# Altium PCB RADM-B00-V00.PcbDoc (part 2 of 2)
Units mil, origin at the board's own origin, x right, y up, seen from the top; angles counter-clockwise.
Board outline 2755.91 x 2952.76 mil, 4 copper layers (Top Layer, Mid-Layer 1, Mid-Layer 2, Bottom Layer); 88 components, 113 nets, 370 pads, 504 vias.
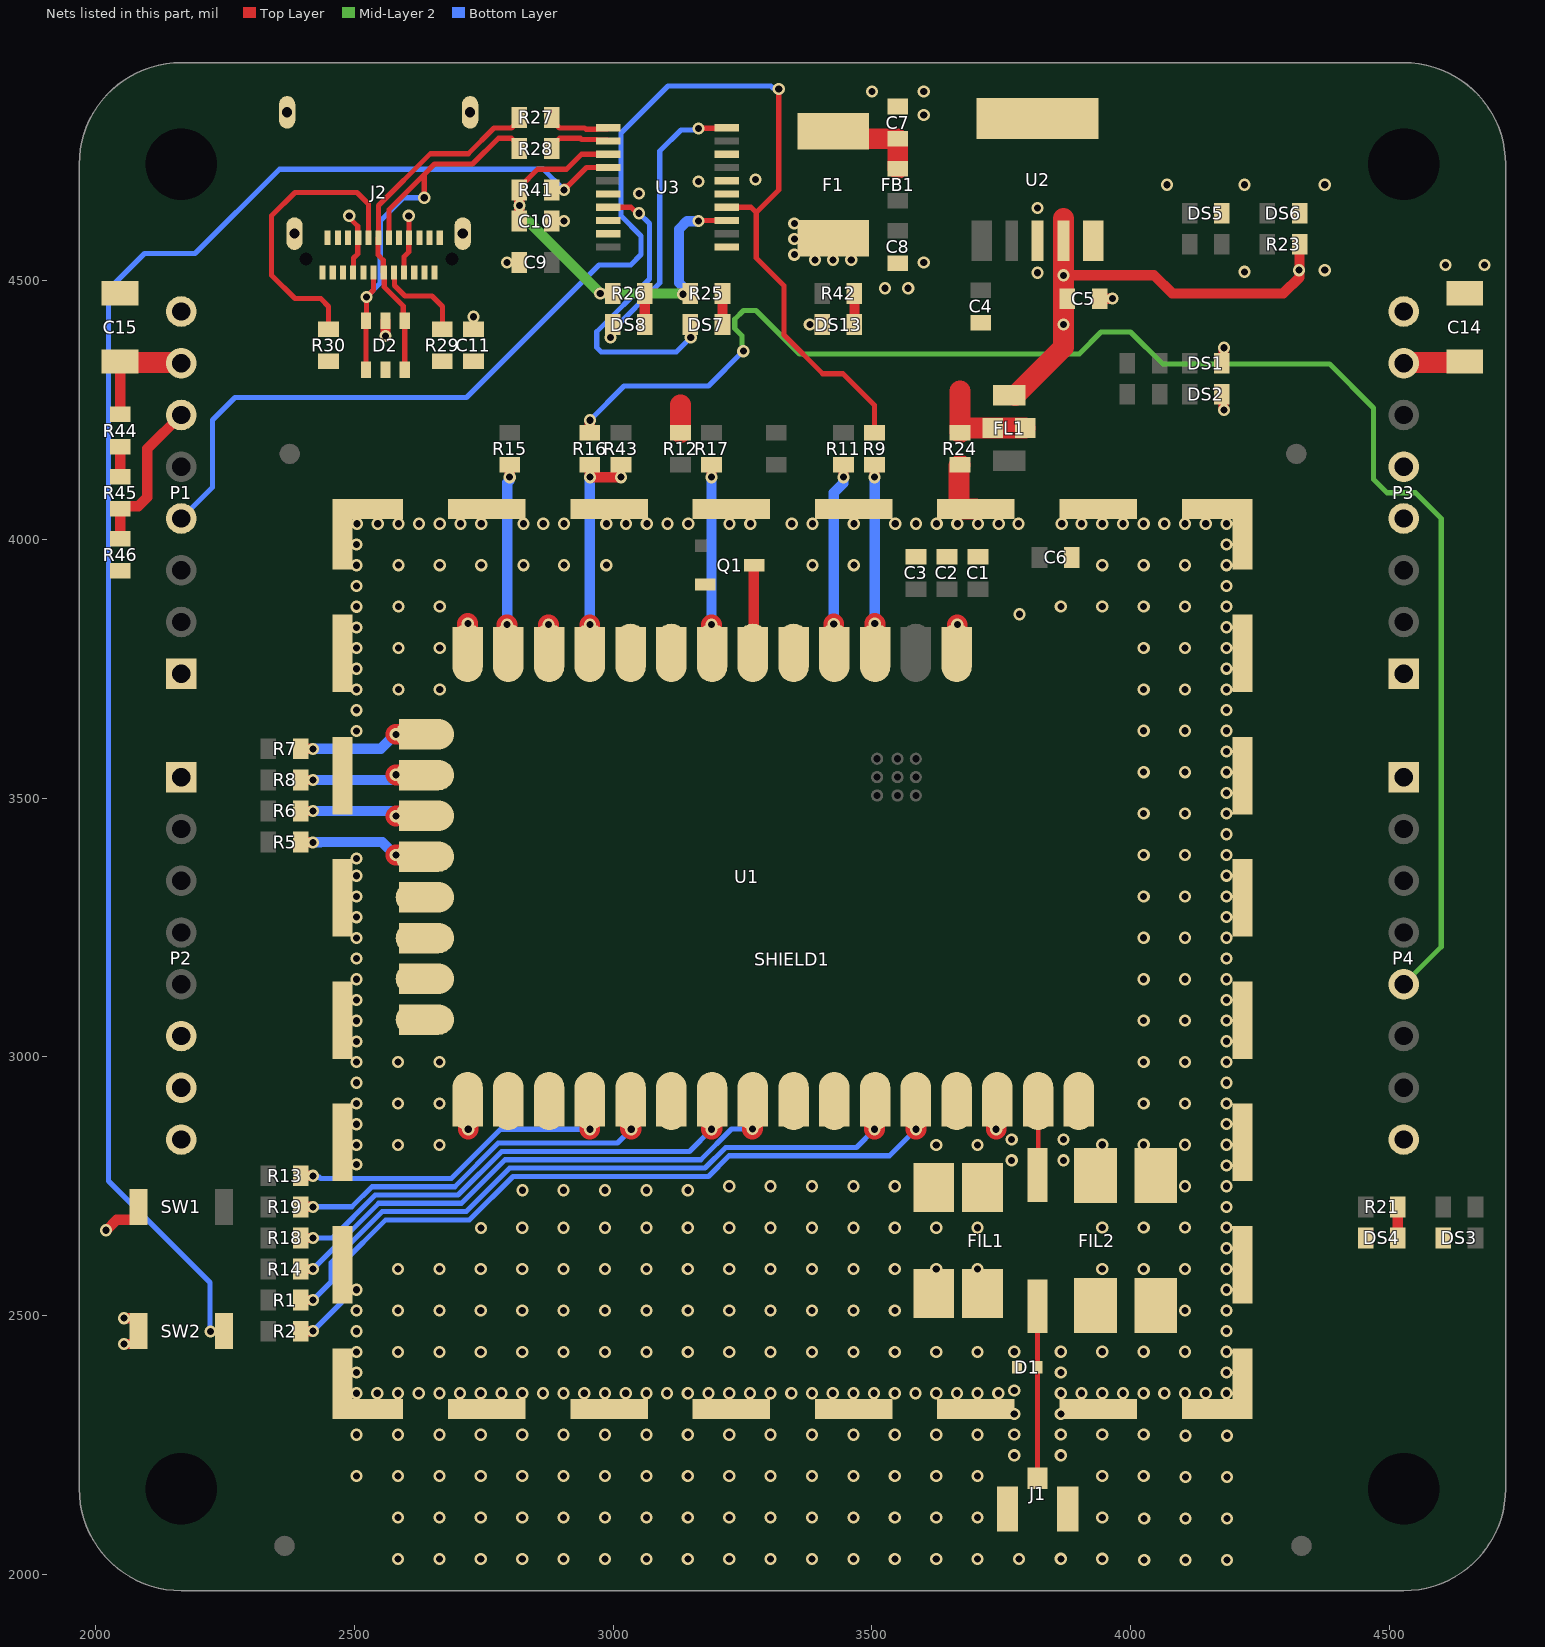
[diagram p4: the nets of this part, all layers, seen from the top]

## Via types
v1: diameter 23.62, hole 13.78, Top Layer to Bottom Layer, tented both sides, 504 vias

## Nets (pads, with @x,y where several pads share a name; then routed paths per layer and width w, separated by ;. In a path a pad name is that pad's centre, name@x,y a point inside that pad or via, vN(x,y) a via of type N, cw(c..) or ccw(c..) an arc to the next point about the centre after c; other vN are vias at no path point) (continued)
"CON SLEEP CMD": P4.5 R16.1 | length 3027.9
  Top Layer w20: R16.1@2955,4206.24 v1(2955,4230)
  Mid-Layer 2 w10: v1(3251.46,4363.54) 3248.85,4366.15 3248.85,4393.23 3235,4407.08 3235,4425 3251.81,4441.81 3276.11,4441.81 3359.92,4358 3900.39,4358 3942.69,4400.3 3999.83,4400.3 4061.13,4339 4383.92,4339 4469,4253.92 4469,4116 4495,4090 4550,4090 4600,4040 4600,3212.6 P4.5@4527.56,3140.16
  Bottom Layer w10: v1(2955,4230) 3021,4296 3183.92,4296 v1(3251.46,4363.54)
"CON SLEEP LED": DS4.1 R21.1 | length 60
  Top Layer w20: DS4.1@4516.24,2650 R21.1@4516.24,2710
"CON TXD": P1.4 R9.1 U3.4 | length 2633.1
  Top Layer w10: U3.4@3219.17,4641.61 3266.21,4641.61 3276.31,4631.51 3276.31,4543.69 3330,4490 3330,4395 3405,4320 3443.84,4320 3505,4258.84 R9.1@3505,4206.24 ; 3276.31,4631.31 3290,4645 3320,4675 v1(3320,4870)
  Bottom Layer w10: P1.4@2165.35,4040.16 2225.88,4100.69 2225.88,4230.63 2269.25,4274 2716.63,4274 2972.63,4530 3034,4530 3054,4550 3054,4586 3015,4625 3015,4785 3106,4876 3304.4,4876 3307.8,4872.61 3317.39,4872.61 v1(3320,4870)
"DEBUG RX": P3.4
"DEBUG SCL": P2.7
"DEBUG SDA": P2.6
"DEBUG TX": P3.5
"DET REF": P1.6 R45.2 R46.1 | length 305.6
  Top Layer w20: R46.1@2047.24,4001.24 R45.2@2047.24,4058.76 2052.24,4063.76 2082.43,4063.76 2100,4081.34 2100,4175 2165.16,4240.16 P1.6@2165.35,4240.16
"DET REF B": R44.2 R45.1 | length 57.5
  Top Layer w20: R45.1@2047.24,4121.24 R44.2@2047.24,4178.76
GND: C1.1 C2.1 C3.1 C6.1 D1.1 FIL1.3 FIL1.4 FIL1.5 FIL1.6 FIL2.3 FIL2.4 FIL2.5 FIL2.6 J1.2 Q1.S R24.2 SHIELD1.1 U1.1 U1.11 U1.13 U1.22 U1.35 | length 355.7
  Top Layer w40: U1.22@2718.66,2894.45 2720,2893.11 v1(2720,2860) ; U1.13@2718.66,3780.59 U1.13@2718.66,3800.59 2718.66,3836.99 v1(2719.12,3837.45) ; v1(2875,3835) 2875,3781.73 U1.11@2876.14,3780.59 ; U1.1@3663.54,3780.59 3665,3782.05 v1(3665,3835) ; R24.2@3670,4143.76 3668.29,4142.05 3668.29,4058.78 3668.6,4058.46 SHIELD1.1@3700.79,4058.46 ; v1(3740,2860) 3740,2892.17 U1.35@3742.28,2894.45
  other v1: 4025.94,2027.94 4105.94,2027.94 4185.94,2027.94 2584.21,2029.81 2664.21,2029.81 2744.21,2029.81 2824.21,2029.81 2904.21,2029.81 2984.21,2029.81 3064.21,2029.81 3144.21,2029.81 3224.21,2029.81 3304.21,2029.81 3384.21,2029.81 3464.21,2029.81 3544.21,2029.81 3624.21,2029.81 3704.21,2029.81 3784.21,2029.81 3865,2030 3945,2030 4025.94,2107.94 4105.94,2107.94 4185.94,2107.94 2584.21,2109.81 2664.21,2109.81 2744.21,2109.81 2824.21,2109.81 2904.21,2109.81 2984.21,2109.81 3064.21,2109.81 3144.21,2109.81 3224.21,2109.81 3304.21,2109.81 3384.21,2109.81 3464.21,2109.81 3544.21,2109.81 3624.21,2109.81 3704.21,2109.81 3945,2110 4105.94,2187.94 4185.94,2187.94 2504.21,2189.81 2584.21,2189.81 2664.21,2189.81 2744.21,2189.81 2824.21,2189.81 2904.21,2189.81 2984.21,2189.81 3064.21,2189.81 3144.21,2189.81 3224.21,2189.81 3304.21,2189.81 3384.21,2189.81 3464.21,2189.81 3544.21,2189.81 3624.21,2189.81 3704.21,2189.81 3945,2190 4025,2190 3775,2230 3865,2230 4105.94,2267.94 4185.94,2267.94 2504.21,2269.81 2584.21,2269.81 2664.21,2269.81 2744.21,2269.81 2824.21,2269.81 2904.21,2269.81 2984.21,2269.81 3064.21,2269.81 3144.21,2269.81 3224.21,2269.81 3304.21,2269.81 3384.21,2269.81 3464.21,2269.81 3544.21,2269.81 3624.21,2269.81 3704.21,2269.81 3775,2270 3865,2270 3945,2270 4025,2270 3775,2310 3865,2310 2504.21,2349.81 2544.21,2349.81 2584.21,2349.81 2624.21,2349.81 2664.21,2349.81 2704.21,2349.81 2744.21,2349.81 2784.21,2349.81 2824.21,2349.81 2864.21,2349.81 2904.21,2349.81 2944.21,2349.81 2984.21,2349.81 3024.21,2349.81 3064.21,2349.81 3104.21,2349.81 3144.21,2349.81 3184.21,2349.81 3224.21,2349.81 3264.21,2349.81 3304.21,2349.81 3344.21,2349.81 3384.21,2349.81 3424.21,2349.81 3464.21,2349.81 3504.21,2349.81 3544.21,2349.81 3584.21,2349.81 3624.21,2349.81 3664.21,2349.81 3704.21,2349.81 3744.21,2349.81 3865,2350 3905,2350 3945,2350 3985,2350 4025,2350 4065,2350 4105,2350 4145,2350 4185,2350 3775,2355 2504.21,2389.81 3865,2390 4185,2390 2504.21,2429.81 2584.21,2429.81 2664.21,2429.81 2744.21,2429.81 2824.21,2429.81 2904.21,2429.81 2984.21,2429.81 3064.21,2429.81 3144.21,2429.81 3224.21,2429.81 3304.21,2429.81 3384.21,2429.81 3464.21,2429.81 3544.21,2429.81 3624.21,2429.81 3704.21,2429.81 3775,2430 3865,2430 3945,2430 4025,2430 4105,2430 4185,2430 2504.21,2469.81 4185,2470 2504.21,2509.81 2584.21,2509.81 2664.21,2509.81 2744.21,2509.81 2824.21,2509.81 2904.21,2509.81 2984.21,2509.81 3064.21,2509.81 3144.21,2509.81 3224.21,2509.81 3304.21,2509.81 3384.21,2509.81 3464.21,2509.81 3544.21,2509.81 4105,2510 4185,2510 2504.21,2549.81 4185,2550 2584.21,2589.81 2664.21,2589.81 2744.21,2589.81 2824.21,2589.81 2904.21,2589.81 2984.21,2589.81 3064.21,2589.81 3144.21,2589.81 3224.21,2589.81 3304.21,2589.81 3384.21,2589.81 3464.21,2589.81 3544.21,2589.81 3624.21,2589.81 3704.21,2589.81 3945,2590 4025,2590 4105,2590 4185,2590 4185,2630 2744.78,2669.24 2824.21,2669.81 2904.21,2669.81 2984.21,2669.81 3064.21,2669.81 3144.21,2669.81 3224.21,2669.81 3304.21,2669.81 3384.21,2669.81 3464.21,2669.81 3544.21,2669.81 3624.21,2669.81 3704.21,2669.81 3945,2670 4025,2670 4105,2670 4185,2670 4185,2710 2824.78,2742.19 2904.21,2742.19 2984.21,2742.19 3064.21,2742.19 3144.21,2742.19 3224.21,2749.81 3304.21,2749.81 3384.21,2749.81 3464.21,2749.81 3544.21,2749.81 4105,2750 4185,2750 4185,2790 2504.21,2791.81 3770,2800 3870,2800 2504.21,2829.81 2584.21,2829.81 2664.21,2829.81 3624.21,2829.81 3704.21,2829.81 3945,2830 4025,2830 4105,2830 4185,2830 3770,2840 3870,2840 2504.21,2869.81 4185,2870 2504.21,2909.81 2584.21,2909.81 2664.21,2909.81 4025,2910 4105,2910 4185,2910 2504.21,2949.81 4185,2950 2504.21,2989.81 2584.21,2989.81 2664.21,2989.81 4025,2990 4105,2990 4185,2990 2504.21,3029.81 4185,3030 2504.21,3069.81 4025,3070 4105,3070 4185,3070 2504.21,3109.81 4185,3110 2504.21,3149.81 4025,3150 4105,3150 4185,3150 2504.21,3189.81 4185,3190 2504.21,3229.81 4025,3230 4105,3230 4185,3230 2504.21,3269.81 4185,3270 2504.21,3309.81 4025,3310 4105,3310 4185,3310 2504.21,3349.81 4185,3350 2504.21,3383.19 4025,3390 4105,3390 4185,3390 4185,3430 4025,3470 4105,3470 4185,3470 4185,3510 4025,3550 4105,3550 4185,3550 4185,3590 2504.21,3629.81 4025,3630 4105,3630 4185,3630 2504.21,3669.81 4185,3670 2504.21,3709.81 2585,3710 2665,3710 4025,3710 4105,3710 4185,3710 2504.21,3749.81 4185,3750 2504.21,3789.81 2585,3790 2665,3790 4025,3790 4105,3790 4185,3790 2504.21,3829.81 4185,3830 3785,3855.25 2504.21,3869.81 2585,3870 2665,3870 3865,3870 3945,3870 4025,3870 4105,3870 4185,3870 2504.21,3909.81 4185,3910 2504.21,3949.81 2585,3950 2665,3950 2745,3950 2826.81,3950 2905,3950 2986.81,3950 3385,3950 3465,3950 3945,3950 4025,3950 4105,3950 4185,3950 2504.21,3989.81 4185,3990 2505,4030 2545,4030 2585,4030 2625,4030 2665,4030 2705,4030 2745,4030 2826.81,4030 2865,4030 2905,4030 2986.81,4030 3025,4030 3065,4030 3105,4030 3145,4030 3225,4030 3265,4030 3345,4030 3385,4030 3465,4030 3545,4030 3585,4030 3625,4030 3665,4030 3705,4030 3745,4030 3783.19,4030 3866.81,4030 3905,4030 3945,4030 3985,4030 4025,4030 4065,4030 4105,4030 4145,4030 4185,4030
N3V3: C5.2 C14.2 C15.2 FL1.1 P1.7 P3.7 R23.2 R44.1 SW1.2 U2.4 | length 1372.4
  Top Layer w20: v1(2020,2665) 2020.98,2665 2040.98,2685 2075.18,2685 2082.68,2692.5 SW1.2@2082.68,2710 ; R44.1@2047.24,4241.24 C15.2@2047.24,4343.37 ; FL1.1@3765,4277.99 FL1.1@3776.81,4277.99 ; v1(3870,4510) 4045,4510 4080,4475 4295,4475 4326.24,4506.24 R23.2@4326.24,4570
  Top Layer w40: C15.2@2047.24,4343.37 2048.85,4341.76 2163.75,4341.76 P1.7@2165.35,4340.16 ; FL1.1@3776.81,4277.99 3870,4371.18 v1(3870,4510) U2.4@3870,4576.89 3870,4620 ; P3.7@4527.56,4340.16 4529.16,4341.76 4644.06,4341.76 C14.2@4645.67,4343.37
  other v1: 3870,4415 4325,4520
NGND: C4.1 C5.1 C7.1 C8.1 C9.1 C10.1 C11.1 C14.1 C15.1 D2.2 DS1.2 DS2.2 DS3.2 DS4.2 DS5.2 DS6.2 DS13.2 FL1.2 J2.A1 J2.A12 J2.B1 J2.B12 J2.S1 J2.S2 J2.S3 J2.S4 P1.1 P1.8 P2.1 P2.8 P3.1 P3.8 P4.1 P4.8 R12.1 R24.1 R29.1 R30.1 R46.2 SW2.1 U2.3 U3.6 U3.16 | length 420.6
  Top Layer w20: v1(2055,2445) 2075.18,2445 2082.68,2452.5 SW2.1@2082.68,2470 ; v1(2055,2495) SW2.1@2075.18,2495 ; C5.1@3940,4465 v1(3965,4465) ; DS2.2@4176.24,4280 4179.31,4276.93 4179.31,4250.69 v1(4180,4250) ; DS1.2@4176.24,4340 4179.31,4343.07 4179.31,4369.31 v1(4180,4370)
  Top Layer w40: R12.1@3130,4206.24 3130,4260 ; 3670,4286.37 R24.1@3670,4206.24 3678.76,4215 FL1.2@3733.5,4215 FL1.2@3796.5,4215
  other v1: 3380,4415 3525,4485 3570,4485 3820,4515 4220,4516.81 4375,4520 4608.43,4530 4683.43,4530 2795,4535 3600,4535 2905,4615 3820,4640 3050,4668.19 4070,4685 4220,4685 4375,4685 3165,4691.38 3275,4695 3600,4820 3500,4865 3600,4865
"PWR PG": U2.5
"PWR REG EP": U2.EP
"RSSI 45": 
"RSSI 45 LED": 
"RSSI 45 R": 
"RSSI 60": 
"RSSI 60 LED": 
"RSSI 60 R": 
"RSSI 70": 
"RSSI 70 LED": 
"RSSI 70 R": 
"RSSI 80": 
"RSSI 80 LED": 
"RSSI 80 R": 
"RSSI FILT": 
"RSSI LED": DS13.1 R42.1 | length 60
  Top Layer w20: DS13.1@3466.24,4415 R42.1@3466.24,4475
U3V3: C10.2 R25.1 R26.1 R41.1 U3.3 U3.13 | length 910.2
  Top Layer w10: R41.1@2818.76,4675 2818.76,4680 2853.76,4715 2910,4715 2938.98,4743.98 U3.13@2990.83,4743.98 ; v1(2975,4475) R26.1@2998.76,4475 ; v1(3165,4615) 3166.02,4616.02 U3.3@3219.17,4616.02
  Top Layer w20: C10.2@2818.76,4615 v1(2818.76,4645) R41.1@2818.76,4675
  Mid-Layer 2 w20: v1(2818.76,4645) 2819.46,4644.31 2819.46,4630.54 v1(2975,4475) 3132.48,4475 3133.94,4473.54 v1(3134.92,4473.54)
  Bottom Layer w20: v1(3134.92,4473.54) 3134.23,4474.24 3134.23,4488.38 3127.21,4495.4 3127.21,4598.94 3142.57,4614.31 3164.31,4614.31 v1(3165,4615)
"USB CBUS0": U3.18
"USB CBUS3": U3.19
"USB CC1": J2.A5 R29.2 | length 178.8
  Top Layer w10: J2.A5@2576.3,4515.55 2577.21,4514.65 2577.21,4490.42 2597.63,4470 2650,4470 2670,4450 R29.2@2670,4406.24
"USB CC2": J2.B5 R30.2 | length 573.9
  Top Layer w10: R30.2@2450,4406.24 2450,4450 2435,4465 2385,4465 2340,4510 2340,4625 2385,4670 2505,4670 2527.09,4647.91 J2.B5@2527.09,4582.48
"USB D_N": D2.1 D2.6 J2.A7 J2.B7 R28.1 | length 875.2
  Top Layer w10: D2.1@2522.6,4327.76 D2.6@2522.6,4422.24 2523.19,4422.83 v1(2523.19,4468.19) 2536.93,4481.93 J2.A7@2536.93,4515.55 ; J2.B7@2566.46,4582.48 2566.77,4582.79 2566.77,4636.77 2635,4705 ; v1(2635,4660) 2635,4705 ; R28.1@2818.76,4755 2818.76,4760 2803.76,4775 2778.28,4775 2728.28,4725 2655,4725 2635,4705
  Bottom Layer w10: v1(2523.19,4468.19) 2550,4495 2550,4615 2595,4660 v1(2635,4660)
"USB D_P": D2.3 D2.4 J2.A6 J2.B6 R27.1 | length 684.3
  Top Layer w10: D2.3@2597.4,4327.76 D2.4@2597.4,4422.24 2594.49,4425.15 2594.49,4450.51 2557.52,4487.48 2557.52,4514.65 2555.71,4516.46 2555.71,4539.29 2545.87,4549.13 2545.87,4581.57 J2.B6@2546.77,4582.48 2546.77,4645.06 2646.72,4745 2720,4745 2770,4795 2803.76,4795 2818.76,4810 R27.1@2818.76,4815
"USB DCD": U3.8
"USB DP_N": R28.2 U3.12 | length 123.1
  Top Layer w10: R28.2@2881.24,4755 2881.24,4760 2896.24,4775 2936.43,4775 2939.07,4772.36 2967.52,4772.36 2968.43,4771.46 2988.94,4771.46 U3.12@2990.83,4769.57
"USB DP_P": R27.2 U3.11 | length 123.1
  Top Layer w10: R27.2@2881.24,4815 2881.24,4810 2896.24,4795 2944.71,4795 2947.35,4792.36 2967.52,4792.36 2968.43,4793.27 2988.94,4793.27 U3.11@2990.83,4795.16
"USB DTR": U3.1
"USB RESET": R41.2 SW2.2 U3.14 | length 3212.4
  Top Layer w10: R41.2@2881.24,4675 v1(2905,4675) ; v1@2905,4682.45 2912.45,4682.45 2948.39,4718.39 U3.14@2990.83,4718.39
  Bottom Layer w10: v1(2222.11,2469.31) 2220.96,2470.46 2220.96,2564.04 2025,2760 2025,4482.86 2094.27,4552.13 2192.13,4552.13 2355,4715 2865,4715 v1(2905,4675)
"USB RI": U3.5
"USB RX1_N": J2.B10
"USB RX1_P": J2.B11
"USB RX2_N": J2.A10
"USB RX2_P": J2.A11
"USB RX LED": DS7.2 U3.17 | length 596.2
  Top Layer w10: U3.17@2990.83,4641.61 3034.7,4641.61 3046.31,4630 v1(3050,4630) ; DS7.2@3148.76,4415 3150,4413.76 v1(3150,4390)
  Bottom Layer w10: v1(3050,4630) 3070,4610 3070,4502.92 2968.19,4401.11 2968.19,4370.79 2976.98,4362 3122,4362 v1(3150,4390)
"USB SBU1": J2.A8
"USB SBU2": J2.B8
"USB TX1_N": J2.A3
"USB TX1_P": J2.A2
"USB TX2_N": J2.B3
"USB TX2_P": J2.B2
"USB TX LED": DS8.2 U3.10 | length 573.8
  Top Layer w10: v1(2995,4390) 2995,4411.24 DS8.2@2998.76,4415 ; v1(3165,4793.62) 3165.77,4794.39 3218.41,4794.39 U3.10@3219.17,4795.16
  Bottom Layer w10: v1(2995,4390) 2997.61,4392.61 2997.61,4402.61 3090,4495 3090,4750 3131.02,4791.02 3162.39,4791.02 v1(3165,4793.62)
"USB TX LED A": DS8.1 R26.2 | length 60
  Top Layer w20: DS8.1@3061.24,4415 R26.2@3061.24,4475
"USB TX LED B": DS7.1 R25.2 | length 60
  Top Layer w20: DS7.1@3211.24,4415 R25.2@3211.24,4475
VUSB: C11.2 D2.5 F1.1 J2.A4 J2.A9 J2.B4 J2.B9 | length 264
  Top Layer w10: v1(2490,4625) 2490,4621.31 2506.5,4604.82 2506.5,4583.39 J2.B4@2507.4,4582.48 2506.5,4581.57 2506.5,4551.5 2498.46,4543.46 2498.46,4516.46 J2.A9@2497.56,4515.55 ; J2.A4@2595.98,4515.55 2595.98,4545.98 2604.92,4554.92 2604.92,4581.57 J2.B9@2605.83,4582.48 2605.41,4582.89 2605.41,4624.59 v1(2605,4625)
  Top Layer w20: v1(2560,4392.81) D2.5@2560,4422.24
  other v1: 2730,4430 3390,4540 3425,4540 3460,4540 3350,4550 3350,4580 3350,4610
VUSBF: C7.2 F1.2 FB1.1 | length 188.6
  Top Layer w40: F1.2@3425,4788.35 3439.58,4773.76 C7.2@3550,4773.76 FB1.1@3550,4716.24
"XBEE ASSOC": R18.2 U1.28 | length 935.7
  Top Layer w20: R18.2@2396.24,2650 v1(2420,2650)
  Top Layer w40: v1(3190,2860) 3191.1,2861.1 U1.28@3191.1,2894.45 U1.28@3191.1,2914.45
  Bottom Layer w10: v1(2420,2650) 2457.37,2650 2540.37,2733 2700.37,2733 2784.56,2817.19 3147.19,2817.19 v1(3190,2860)
"XBEE ATTN": R15.2 U1.12 | length 366.2
  Top Layer w20: v1(2800,4120) R15.2@2800,4143.76
  Top Layer w40: v1(2795,3835) 2795,3782.99 U1.12@2797.4,3780.59
  Bottom Layer w20: v1(2795,3835) 2795,4109.02 2799.31,4113.33 2799.31,4119.31 v1(2800,4120)
"XBEE CLK": R7.2 U1.14 | length 231.4
  Top Layer w20: R7.2@2396.24,3595 v1(2420,3595)
  Top Layer w40: v1(2580.04,3623.09) 2580.14,3623.19 U1.14@2615.98,3623.19
  Bottom Layer w20: v1(2420,3595) 2550.97,3595 2579.06,3623.09 v1(2580.04,3623.09)
"XBEE CS": R8.2 U1.15 | length 244.1
  Top Layer w20: R8.2@2396.24,3535 v1(2420,3535)
  Top Layer w40: v1(2580,3545) 2580.55,3544.45 U1.15@2615.98,3544.45 U1.15@2635.98,3544.45
  Bottom Layer w20: v1(2420,3535) 2569.02,3535 2579.02,3545 v1(2580,3545)
"XBEE CTS": R13.2 U1.25 | length 654.7
  Top Layer w20: R13.2@2396.24,2770 v1(2420,2770)
  Top Layer w40: U1.25@2954.88,2914.45 U1.25@2954.88,2894.45 2954.88,2860.12 v1(2955,2860)
  Bottom Layer w10: v1(2420,2770) 2422.61,2767.39 2432.24,2767.39 2434.63,2765 2687.12,2765 2782.12,2860 v1(2955,2860)
"XBEE DEBUG/SWDIO_1": U1.9
"XBEE DIO0": R2.2 U1.33 | length 1428.5
  Top Layer w20: R2.2@2396.24,2470 v1(2420,2470)
  Top Layer w40: U1.33@3584.8,2894.45 3585,2894.25 v1(3585,2860)
  Bottom Layer w10: v1(2420,2470) 2475,2525 2475,2599.49 2560.51,2685 2722.63,2685 2806.63,2769 3184,2769 3224,2809 3534,2809 v1(3585,2860)
"XBEE DIO1": R1.2 U1.32 | length 1302.1
  Top Layer w20: R1.2@2396.24,2530 v1(2420,2530)
  Top Layer w40: v1(3505,2860) 3505,2893.39 U1.32@3506.06,2894.45
  Bottom Layer w10: v1(2420,2530) 2455,2565 2455,2602.12 2553.88,2701 2716,2701 2800.19,2785.19 3177.56,2785.19 3217.37,2825 3470,2825 v1(3505,2860)
"XBEE DIO2": U1.31
"XBEE DIO3": U1.30
"XBEE DIO4": U1.24
"XBEE DIO12": U1.5 | length 20
  Top Layer w40: U1.5@3348.58,3780.59 U1.5@3348.58,3800.59
"XBEE DTR": R16.2 R43.2 U1.10 | length 423.2
  Top Layer w20: R16.2@2955,4143.76 v1(2955,4120) v1(3015,4120)
  Top Layer w40: U1.10@2954.88,3780.59 2955,3780.71 v1(2955,3835)
  Bottom Layer w20: v1(2955,3835) v1(2955,4120)
"XBEE JTCK/SWCLK_0": U1.18
"XBEE JTDI/SWO_1": U1.20
"XBEE JTDO/SWO_0": U1.19
"XBEE JTMS/SWDIO_0": U1.21
"XBEE MISO": R5.2 U1.17 | length 232.1
  Top Layer w20: R5.2@2396.24,3415 2396.69,3414.55 2419.21,3414.55 v1(2419.66,3414.09)
  Top Layer w40: v1(2580,3390) 2612.95,3390 U1.17@2615.98,3386.97
  Bottom Layer w20: v1(2419.66,3414.09) 2420.35,3414.79 2434.5,3414.79 2434.71,3415 2554.02,3415 2579.02,3390 v1(2580,3390)
"XBEE MOSI": R6.2 U1.16 | length 244.2
  Top Layer w20: R6.2@2396.24,3475 v1(2420,3475)
  Top Layer w40: v1(2580,3465) 2580.71,3465.71 U1.16@2615.98,3465.71 U1.16@2635.98,3465.71
  Bottom Layer w20: v1(2420,3475) 2569.02,3475 2579.02,3465 v1(2580,3465)
"XBEE NC": U1.37
"XBEE PWM": U1.8 | length 3.7
  Top Layer w40: U1.8@3112.36,3800.59 U1.8@3115,3803.23
"XBEE RESET": Q1.D U1.6 | length 189.7
  Top Layer w20: U1.6@3271.57,3780.59 3271.57,3949.33 Q1.D@3272.24,3950
  Top Layer w40: U1.6@3269.84,3780.59 U1.6@3269.84,3800.59
"XBEE RF": D1.2 FIL1.2 FIL2.1 J1.1 | length 344.8
  Top Layer w9: J1.1@3820,2186.02 FIL2.1@3820,2509.65 FIL1.2@3820,2530.83
"XBEE RF FILT": FIL1.1 FIL2.2 U1.36 | length 155.7
  Top Layer w9: FIL1.1@3820,2759.17 3821.02,2760.2 U1.36@3821.02,2894.45 U1.36@3821.02,2914.45
"XBEE RF_SELECT": U1.34
"XBEE RSSI": R17.2 U1.7 | length 363.6
  Top Layer w20: v1(3190,4120) R17.2@3190,4143.76
  Top Layer w40: v1(3190,3835) 3190,3781.69 U1.7@3191.1,3780.59
  Bottom Layer w20: v1(3190,3835) v1(3190,4120)
"XBEE RTS": R14.2 U1.29 | length 1039.1
  Top Layer w20: R14.2@2396.24,2590 v1(2420,2590)
  Top Layer w40: v1(3268.98,2860.5) 3269.84,2861.36 U1.29@3269.84,2894.45 U1.29@3269.84,2914.45
  Bottom Layer w10: v1(2420,2590) 2547,2717 2707,2717 2791.19,2801.19 3169.11,2801.19 3228.42,2860.5 v1(3268.98,2860.5)
"XBEE RXD": R11.2 U1.4 | length 371.3
  Top Layer w20: v1(3445,4120) R11.2@3445,4143.76
  Top Layer w40: v1(3426.31,3836.24) 3426.31,3781.61 U1.4@3427.32,3780.59
  Bottom Layer w20: v1(3426.31,3836.24) 3426.31,4090.33 3444.31,4108.33 3444.31,4119.31 v1(3445,4120)
"XBEE SLEEP": R19.2 U1.26 | length 756.5
  Top Layer w20: R19.2@2396.24,2710 v1(2420,2710)
  Top Layer w40: U1.26@3033.62,2914.45 U1.26@3033.62,2894.45 3033.62,2861.38 v1(3035,2860)
  Bottom Layer w10: v1(2420,2710) 2420.21,2710.21 2494.96,2710.21 2533.75,2749 2693.75,2749 2777.93,2833.19 3008.19,2833.19 3034.02,2859.02 v1@3034.02,2860
  Bottom Layer w20: v1@3034.02,2860 v1(3035,2860)
"XBEE SWCLK_1": U1.23
"XBEE TXD": R9.2 U1.3 | length 343.6
  Top Layer w20: v1(3505,4120) R9.2@3505,4143.76
  Top Layer w40: v1(3505.52,3837.45) 3506.06,3836.91 U1.3@3506.06,3800.59
  Bottom Layer w20: v1(3505,4120) 3505.26,4119.74 3505.26,3837.71 v1(3505.52,3837.45)
"XBEE VREF": U1.27
pads on no net: FID1.1 FID2.1 FID3.1 FID4.1 J2. M1.1 M2.1 M3.1 M4.1 U1.38

## Polygon pours and split planes (outlines as drawn)
GND on Top Layer "S" (solid, pour order 10): 2425,2007.87 2425,4115 4270,4115 4270,2007.87
NGND on Top Layer "NONET_L01_P-001" (solid, remove dead copper, pour order 9): 4390,2007.87 4390,4235 2305,4235 2305,2007.87 2165.35,2007.87 2007.87,2165.35 2007.87,4724.41 2165.35,4881.89 4527.56,4881.89 4685.04,4724.41 4685.04,2165.35 4527.56,2007.87
NGND on Mid-Layer 1 "NONET_L01_P-001" (solid, remove dead copper, pour order 16): 4390,2007.87 4390,4235 2305,4235 2305,2007.87 2165.35,2007.87 2007.87,2165.35 2007.87,4724.41 2165.35,4881.89 4527.56,4881.89 4685.04,4724.41 4685.04,2165.35 4527.56,2007.87
GND on Mid-Layer 1 "NONET_L01_P-001" (solid, pour order 14): 2425,2007.87 2425,4115 4270,4115 4270,2007.87
no net on Bottom Overlay "NONET_L01_P-001" (solid): 3775,3775 2650,3775 2650,3975 3775,3975
VUSB on Mid-Layer 2 "NONET_L01_P-001" (solid, pour order 12): 2540,4360 2580,4360 2620,4400 2745,4400 2765,4420 2765,4440 2745,4460 2700,4460 2650,4510 2650,4595 2730,4675 2835,4675 3005,4505 3480,4505 3505,4530 3505,4570 3430,4645 3035,4645 2920,4760 2570,4760 2455,4645 2455,4445
N3V3 on Mid-Layer 2 "NONET_L01_P-001" (solid, remove dead copper, pour order 15): 4390,2007.87 4390,4235 2305,4235 2305,2007.87 2165.35,2007.87 2007.87,2165.35 2007.87,4724.41 2165.35,4881.89 4527.56,4881.89 4685.04,4724.41 4685.04,2165.35 4527.56,2007.87
GND on Mid-Layer 2 "NONET_L01_P-001" (solid, pour order 13): 2425,2007.87 2425,4115 4270,4115 4270,2007.87
NGND on Bottom Layer "NONET_L01_P-001" (solid, remove dead copper, pour order 17): 4390,2007.87 4390,4235 2305,4235 2305,2007.87 2165.35,2007.87 2007.87,2165.35 2007.87,4724.41 2165.35,4881.89 4527.56,4881.89 4685.04,4724.41 4685.04,2165.35 4527.56,2007.87
GND on Bottom Layer "NONET_L01_P-001" (solid, pour order 11): 2425,2007.87 2425,4115 4270,4115 4270,2007.87
no net on Top Solder "NONET_L01_P-001" (solid): 2305,1970 2305,4235 4390,4235 4390,1970 4270,1970 4270,4115 2425,4115 2425,1970
no net on Top Solder "NONET_L01_P-001" (solid): 4239.49,4082.13 4239.49,4034.78 3858.77,4034.78 3858.77,4082.13
no net on Top Solder "NONET_L01_P-001" (solid): 3820,2985 3761.73,2985 3761.73,2795 3820,2795
no net on Top Solder "NONET_L01_P-001" (solid): 3820,2985 3878.27,2985 3878.27,2795 3820,2795
no net on Top Solder "NONET_L01_P-001" (solid): 3820,2185 3878.27,2185 3878.27,2495 3820,2495
no net on Top Solder "NONET_L01_P-001" (solid): 3820,2185 3761.73,2185 3761.73,2495 3820,2495
no net on Top Solder "NONET_L01_P-001" (solid): 4240,2343.78 4240,2296.22 3858.56,2296.21 3858.56,2343.78
no net on Top Solder "NONET_L01_P-001" (solid): 2500.72,2296.09 2452.95,2296.09 2452.95,4081.86 2500.72,4081.86
no net on Top Solder "NONET_L01_P-001" (solid): 3780,4082.13 3780,4034.78 2453.48,4034.78 2453.48,4082.13
no net on Top Solder "NONET_L01_P-001" (solid): 4239.32,2296.02 4191.75,2296.02 4191.75,4082.16 4239.32,4082.16
no net on Top Solder "NONET_L01_P-001" (solid): 2453.1,2295.68 2453.1,2343.25 3779.65,2343.25 3779.65,2295.68

## Silkscreen, mask and mechanical layers (free items; w line width, h text height)
Top Overlay:
  lines w7.87: 2305,2005 2305,4235 3700,4235 ; 2425,2005 2425,4115 4270,4115 4270,2005 ; 2775,2025 2800,2025 2800,2150 ; 2822.36,2130.28 ccw(c2800,2175) 2822.36,2219.72 ; 2825,2025 2825,2050 ; 2825,2037.5 3225,2037.5 ; 2833.54,2107.92 ccw(c2800,2175) 2833.54,2242.08 ; 3216.46,2107.92 cw(c3250,2175) 3216.46,2242.08 ; 3225,2025 3225,2050 ; 3227.64,2130.28 cw(c3250,2175) 3227.64,2219.72 ; 3275,2025 3250,2025 3250,2150 ; 3830,4235 4390,4235 4390,2005 ; 2800,2150 2825,2175 2775,2175 2800,2150 ; 3250,2150 3275,2175 3225,2175 3250,2150
  lines w10: 2305,4665 2305,4775 ; 2350,4485 2365,4470 2765,4470 2780,4485 ; 2760,4485 2780,4485 ; 2765,3045 3640,3045 ; 2765,3185 3640,3185 ; 2765,3325 3640,3325 ; 2780,4465 2780,4485
  text "UCB-C" at 2690,4903.75 h100 r180
  text "USB" at 4205,4675 h100 r90
  text "3V3" at 4355,4675 h100 r90
  text "TX" at 2935.86,4359.78 h100 r270
  text "RX" at 3215.43,4358.42 h100 r270
  text "USB" at 3007.5,4250 h100
  text "RSSI" at 3322.5,4250 h100
  text "DIO" at 4233.75,4250 h100
  text "Digi SX" at 2765,3360.76 h120
  text "XB9X-DMRS-021" at 2765,3260.67 h80
  text "RF" at 3325.04,3260 h80
  text "AUS" at 3500.04,3231.34 h80
  text "XB9X-DMUS-021" at 2765,3200.67 h80
  text "U.FL" at 3325.04,3200.67 h80
  text "XB8X-DMRS-001" at 2765,3120.67 h80
  text "RF" at 3325.04,3120 h80
  text "EU" at 3500,3096.65 h80
  text "XB8X-DMUS-001" at 2765,3060.67 h80
  text "U.FL" at 3325.04,3060.67 h80
  text "RST" at 2043.25,2535 h100
  text "SLEEP" at 4545,2300 h100 r90
  text "ASSOC" at 4695,2300 h100 r90
  text "URST" at 2043.25,2295 h100
  text "MIN" at 2953.41,2150 h100
  text "U.FL" at 3980.06,2089.98 h120
  text "50cm" at 2924.95,2060.83 h100
Bottom Overlay:
  lines w7.87: 2805,3170 2830,3170 2830,3295 ; 2852.36,3275.28 ccw(c2830,3320) 2852.36,3364.72 ; 2855,3170 2855,3195 ; 2855,3182.5 3255,3182.5 ; 2863.54,3252.92 ccw(c2830,3320) 2863.54,3387.08 ; 3246.46,3252.92 cw(c3280,3320) 3246.46,3387.08 ; 3255,3170 3255,3195 ; 3257.64,3275.28 cw(c3280,3320) 3257.64,3364.72 ; 3305,3170 3280,3170 3280,3295 ; 2830,3295 2805,3320 2855,3320 2830,3295 ; 3280,3295 3255,3320 3305,3320 3280,3295
  text "UCB-C" at 2400,4903.75 h100 r180
  text "M3" at 2233.55,4536.55 h80
  text "M3" at 4595.75,4536.55 h80
  text "GND" at 2393.15,4410.61 h100
  text "GND" at 4455.94,4410.61 h100
  text "3V3" at 2372.04,4310.61 h100
  text "3V3" at 4455.94,4310.61 h100
  text "DET" at 2375.78,4210.59 h100
  text "BKP" at 4455.94,4210.59 h100
  text "Antennas must be 50cm apart at least!" at 4668.4,4161.65 h100 r90
  text "QUTMS-RADG-V00" at 4045.16,4154.3 h200
  text "N/C" at 4455.94,4112.74 h100
  text "TX" at 2331.34,4110.59 h100
  text "Designed By: Jonn Dillon" at 4031.3,4022.71 h150
  text "N/C" at 4455.94,4012.74 h100
  text "RX" at 2328.61,4010.59 h100
  text "CTS" at 2379.48,3910.61 h100
  text "ATTN" at 4455.89,3910.59 h100
  text "S/N:" at 4029.93,3832.63 h150
  text "RTS" at 2375.23,3810.61 h100
  text "SLEEP" at 4455.89,3810.61 h100
  text "GND" at 2393.15,3710.61 h100
  text "GND" at 4455.94,3710.61 h100
  text "GND" at 2393.15,3510.61 h100
  text "GND" at 4455.94,3510.61 h100
  text "CLK" at 2379.8,3410.61 h100
  text "RSSI" at 4455.89,3410.61 h100
  text "MOSI" at 2422.95,3310.61 h100
  text "ASSOC" at 4455.89,3310.61 h100
  text "MIN" at 3126.59,3295 h100
  text "MISO" at 2425.35,3210.61 h100
  text "RST" at 4455.89,3210.61 h100
  text "50cm" at 3155.05,3205.83 h100
  text "CS" at 2329.03,3110.61 h100
  text "S CMD" at 4455.89,3110.61 h100
  text "DTR" at 4159.36,3110.43 h100
  text "SDA" at 2387.89,3010.61 h100
  text "DIO1" at 4455.94,3010.61 h100
  text "SCL" at 2376.29,2910.61 h100
  text "DIO0" at 4455.94,2910.61 h100
  text "GND" at 2393.15,2810.61 h100
  text "GND" at 4455.94,2810.61 h100
  text "Antennas must be 50cm apart at least!" at 2024.51,2728.11 h100 r270
  text "M3" at 2233.55,2292.46 h80
  text "M3" at 4595.75,2292.46 h80
Mechanical 1:
  the board outline again, w10

## Text inside footprints (layer, text, board x,y; h text height)
LYID1: Top Layer "1" at 4360,2160 h60 r90; Bottom Layer "4" at 4360,2420 h60 r90; Mid-Layer 2 "3" at 4360,2330 h60 r90; Mid-Layer 1 "2" at 4360,2240 h60 r90